# Altium PCB STM32H743II.PcbDoc (part 3 of 3)
Units mm, origin at the board's own origin, x right, y up, seen from the top; angles counter-clockwise.
Board outline 132.8 x 97.41 mm, 4 copper layers (Top Layer, GND, Power, Bottom Layer), stack 0.778 mm thick; 128 components, 206 nets, 736 pads, 989 vias.
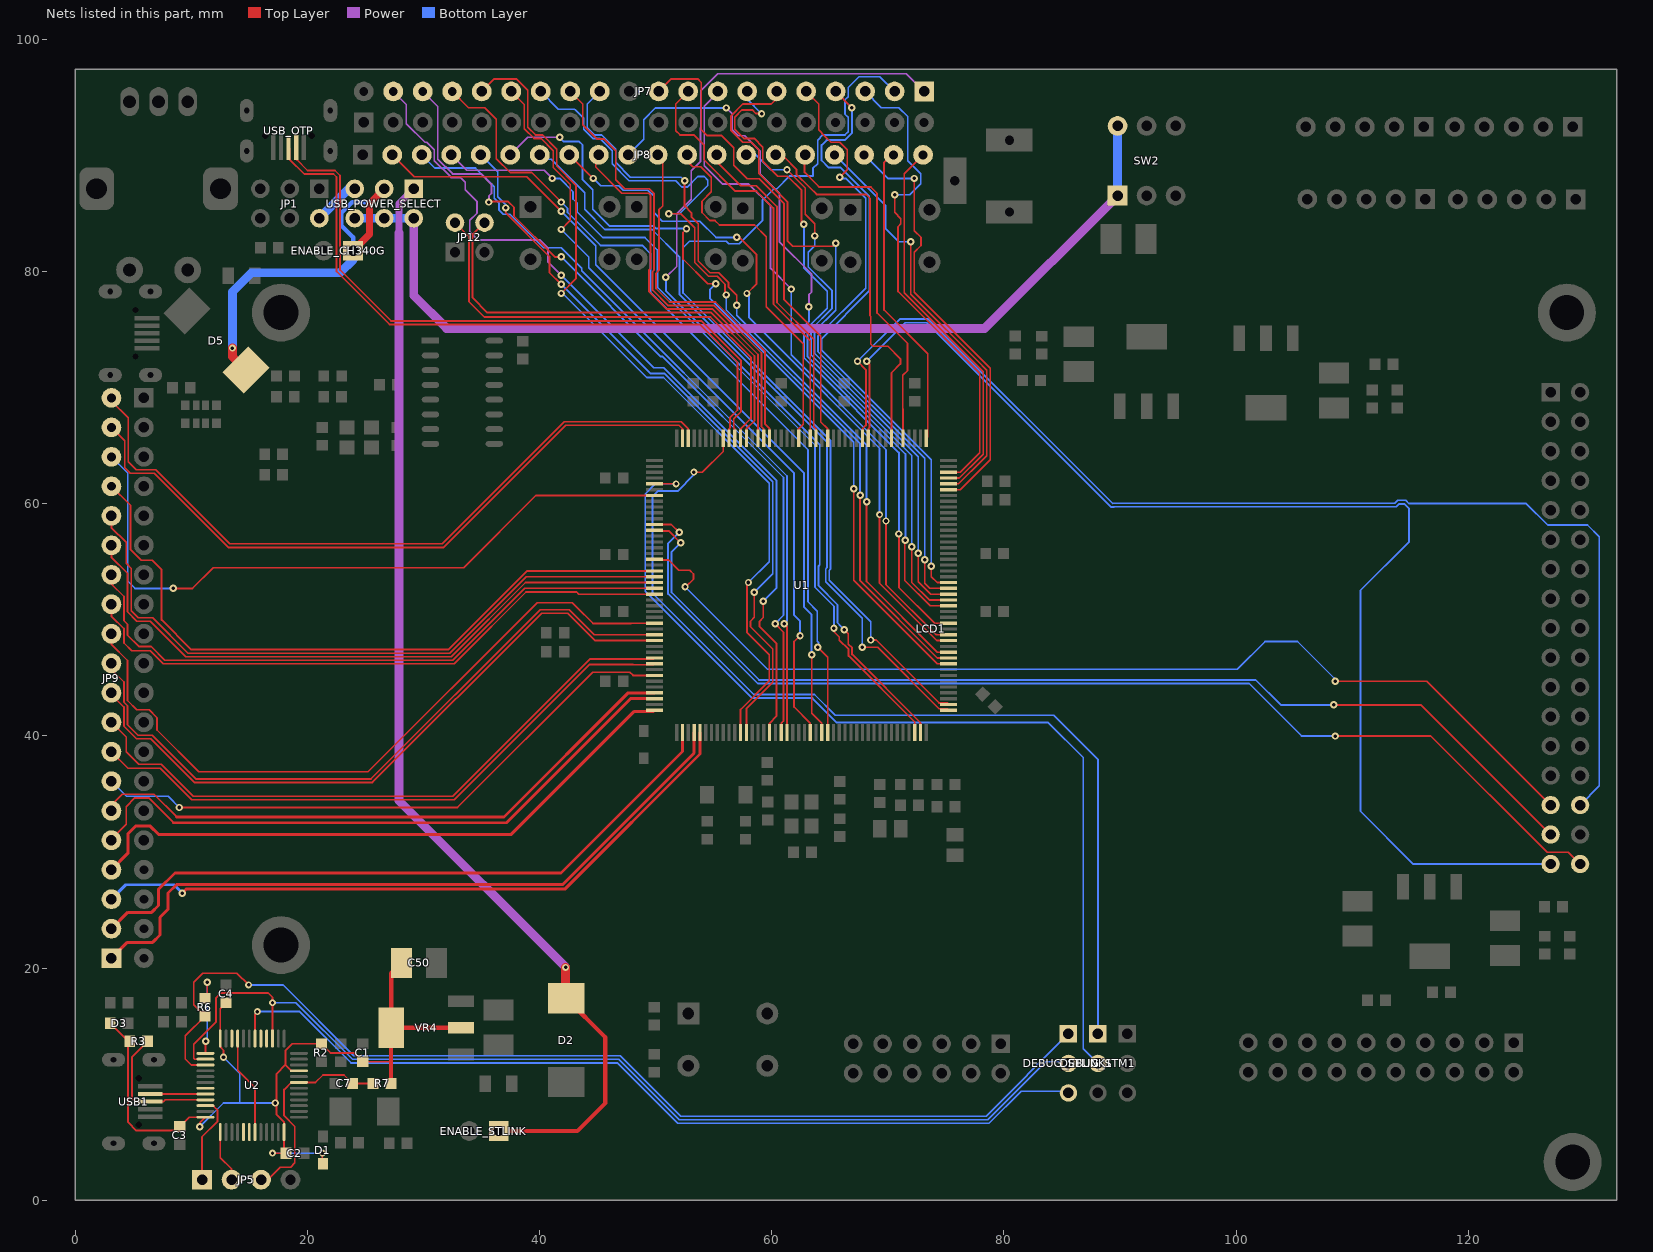
[diagram p5: the nets of this part, all layers, seen from the top]

## Via types
v1: diameter 0.6, hole 0.3, Top Layer to Bottom Layer, 798 vias
v2: diameter 0.635, hole 0.305, Top Layer to Bottom Layer, 191 vias

## Nets (pads, with @x,y where several pads share a name; then routed paths per layer and width w, separated by ;. In a path a pad name is that pad's centre, name@x,y a point inside that pad or via, vN(x,y) a via of type N, cw(c..) or ccw(c..) an arc to the next point about the centre after c; other vN are vias at no path point) (continued)
PF1: JP7.9 U1.109 | length 36.9
  Top Layer w0.152: JP7.9@52.81,95.504 51.731,94.425 51.731,92.132 52.105,91.758 53.286,91.758 54.189,90.855 54.189,90.5 54.184,90.495 54.184,89.596 56.862,86.918 58.691,86.918 60.152,85.458 60.152,77.199 63.321,74.03 U1.109@63.321,65.634
PF2: JP7.10 U1.106 | length 40.7
  Top Layer w0.152: JP7.10@50.27,95.504 51.349,96.583 53.622,96.583 53.935,96.27 53.935,92.203 54.42,91.718 55.651,91.718 56.724,90.644 56.724,89.143 57.882,87.986 58.917,87.986 61.066,85.837 61.066,77.578 64.236,74.409 64.236,67.032 64.821,66.446 U1.106@64.821,65.634
PF3: JP7.15 U1.24 | length 67.3
  Top Layer w0.152: JP7.15@37.57,95.504 38.695,94.379 38.695,92.295 39.537,91.454 40.138,91.454 41.18,90.412 41.18,88.956 42.65,87.485 42.65,84.396 v2(41.87,83.617) ; v2(62.444,48.641) 61.931,48.128 61.931,42.488 63.321,41.097 U1.24@63.321,40.284
  Bottom Layer w0.152: v2(41.87,83.617) 44.244,81.243 44.244,80.321 61.931,62.635 61.931,50.381 62.444,49.867 v2(62.444,48.641)
PF4: JP7.8 U1.58 | length 58.1
  Top Layer w0.152: v2(69.845,58.507) 69.845,53.03 74.166,48.709 U1.58@75.246,48.709
  Power w0.152: JP7.8@55.35,95.504 55.471,95.504 54.193,94.226 54.193,92.264 54.184,92.255 54.184,89.114 55.771,87.527 58.031,87.527 59.904,85.654 59.904,80.264 v2(61.682,78.486)
  Bottom Layer w0.152: v2(61.682,78.486) 61.682,72.817 69.845,64.654 v2(69.845,58.507)
PF5: JP7.12 U1.55 | length 65.6
  Top Layer w0.152: v2(52.499,87.813) 52.499,85.648 53.083,85.063 53.083,84.695 53.673,84.105 53.673,80.898 54.688,79.883 55.439,79.883 56.288,79.034 56.288,78.641 56.983,77.946 v2(56.983,77.089) ; v2(68.175,60.178) 68.175,53.296 74.262,47.209 U1.55@75.246,47.209
  Bottom Layer w0.152: JP7.12@45.19,95.504 44.111,94.425 44.111,92.39 44.743,91.758 45.344,91.758 46.564,90.538 46.564,89.393 47.836,88.122 52.19,88.122 v2(52.499,87.813) ; v2(56.983,77.089) 56.983,76.223 68.175,65.031 v2(68.175,60.178)
PF6: JP7.14 U1.54 | length 74.2
  Top Layer w0.152: v2(51.141,84.963) 52.168,84.963 53.367,83.763 53.367,80.773 54.562,79.579 55.313,79.579 55.984,78.908 55.984,78.089 v2(56.094,77.978) ; v2(67.618,60.735) 67.618,53.353 74.262,46.709 U1.54@75.246,46.709
  Bottom Layer w0.152: JP7.14@40.11,95.504 41.634,93.98 43.013,93.98 43.078,93.916 43.097,93.916 43.807,93.206 43.807,92.264 44.63,91.44 45.231,91.44 46.26,90.412 46.26,89.267 47.714,87.813 51.727,87.813 52.273,87.267 52.725,87.267 53.634,88.176 54.178,88.176 54.498,87.856 54.498,87.404 52.057,84.963 v2(51.141,84.963) ; v2(56.094,77.978) 56.094,76.681 67.618,65.157 v2(67.618,60.735)
PF7: JP7.17 U1.27 | length 72.7
  Top Layer w0.152: JP7.17@32.49,95.504 33.887,94.107 35.285,94.107 36.282,93.11 36.282,89.718 37.482,88.519 39.33,88.519 v2(41.87,85.979) ; v2(63.968,47.625) 64.821,46.772 U1.27@64.821,40.284
  Bottom Layer w0.152: v2(41.87,85.979) 42.416,85.433 42.416,85.084 45.259,82.241 48.864,82.241 49.555,81.55 49.555,78.217 63.126,64.646 63.126,51.548 63.93,50.744 63.93,48.161 64.057,48.034 64.057,47.771 63.968,47.683 v2(63.968,47.625)
PF8: JP7.18 U1.19 | length 71.8
  Top Layer w0.152: v2(35.647,85.979) 35.685,86.017 37.321,86.017 37.806,85.532 37.806,84.765 41.316,81.255 v2(41.87,81.255) ; v2(60.293,49.657) 61.017,48.933 61.017,41.292 60.821,41.097 U1.19@60.821,40.284
  Power w0.152: JP7.18@29.95,95.504 31.246,94.208 31.246,89.674 32.515,88.405 34.986,88.405 35.864,87.527 35.864,86.717 35.647,86.5 v2(35.647,85.979)
  Bottom Layer w0.152: v2(41.87,81.255) 50.456,72.669 50.603,72.669 61.017,62.256 61.017,50.381 v2(60.293,49.657)
PF9: JP7.2 U1.46 | length 79.7
  Top Layer w0.152: v2(68.54,48.26) 68.995,48.26 74.415,42.841 75.114,42.841 U1.46@75.246,42.709
  Bottom Layer w0.152: v2(68.54,48.26) 68.54,49.82 64.955,53.406 64.955,54.248 65.059,54.352 65.059,65.454 52.361,78.152 52.361,82.041 52.92,82.601 56.094,82.601 56.309,82.385 57.21,82.385 59.219,84.394 59.219,86.153 60.167,87.102 60.442,87.102 61.567,88.227 63.549,88.227 63.549,88.872 63.968,89.291 63.968,91.313 64.414,91.758 66.319,91.758 66.589,92.028 66.589,93.284 66.319,93.554 66.319,94.787 66.589,95.057 66.589,95.845 67.517,96.774 69.32,96.774 JP7.2@70.59,95.504
PF10: JP7.1 U1.43 | length 86.2
  Top Layer w0.152: v2(66.254,49.149) 66.597,48.806 66.597,47.907 66.927,47.577 66.927,47.019 72.821,41.125 U1.43@72.821,40.284
  Power w0.152: v2(50.887,79.502) 51.814,80.429 51.814,84.963 53.072,86.22 53.072,88.671 53.88,89.479 53.88,92.381 53.889,92.39 53.889,95.568 55.349,97.028 71.606,97.028 JP7.1@73.13,95.504
  Bottom Layer w0.152: v2(50.887,79.502) 50.887,78.332 64.144,65.075 64.144,54.731 64.04,54.626 64.04,52.927 65.668,51.299 65.668,49.743 65.91,49.502 65.91,49.494 v2(66.254,49.149)
PF11: JP7.19 U1.17 | length 75.1
  Top Layer w0.152: v2(59.269,51.589) 59.269,50.193 58.959,49.883 58.959,49.416 60.407,47.968 60.407,41.683 59.821,41.097 U1.17@59.821,40.284
  Power w0.152: JP7.19@27.41,95.504 28.535,94.379 28.535,92.726 30.14,91.122 30.31,91.122 30.942,90.49 30.942,89.548 32.389,88.101 33.19,88.101 33.602,87.689 33.602,87.021 34.631,85.992 34.631,85.035 33.996,84.4 33.996,83.439 34.734,82.702 40.068,82.702 40.727,82.042 40.727,80.823 v2(41.87,79.68)
  Bottom Layer w0.152: v2(41.87,79.68) 49.846,71.704 50.706,71.704 60.407,62.003 60.407,52.727 v2(59.269,51.589)
PF12: JP7.16 U1.12 | length 73.7
  Top Layer w0.152: JP7.16@35.03,95.504 36.109,96.583 38.017,96.583 39,95.599 39,92.421 39.663,91.758 40.264,91.758 41.484,90.538 41.484,89.086 43.14,87.43 43.14,79.375 v2(41.87,78.105) ; U1.12@57.321,40.284 57.321,42.269 59.797,44.745 59.797,47.003 57.867,48.933 57.867,53.081 v2(57.999,53.213)
  Bottom Layer w0.152: v2(41.87,78.105) 41.997,78.105 49.236,70.866 50.682,70.866 59.797,61.751 59.797,55.011 v2(57.999,53.213)
PF13: JP7.7 U1.63 | length 58.2
  Top Layer w0.152: v2(59.126,93.599) 58.653,93.599 58.337,93.916 57.443,93.916 56.811,93.284 56.811,92.262 57.611,91.463 58.485,91.463 59.237,90.71 59.237,89.482 60.517,88.203 61.364,88.203 62.578,86.988 62.578,84.27 v2(62.775,84.074) ; v2(71.516,56.837) 71.464,56.786 71.464,53.386 73.641,51.209 U1.63@75.246,51.209
  Bottom Layer w0.152: JP7.7@57.89,95.504 57.89,94.835 v2(59.126,93.599) ; v2(62.775,84.074) 62.775,80.314 64.795,78.293 64.795,76.846 63.079,75.13 63.079,72.713 64.222,71.57 71.516,64.277 v2(71.516,56.837)
PF14: JP7.3 U1.86 | length 42.3
  Top Layer w0.152: v2(70.59,86.614) 70.59,85.083 71.118,84.554 71.118,84.102 70.877,83.861 70.877,78.281 77.913,71.246 77.913,64.39 77.824,64.301 77.734,64.212 76.231,62.709 U1.86@75.246,62.709
  Bottom Layer w0.152: JP7.3@68.05,95.504 69.447,94.107 70.953,94.107 71.715,93.345 71.715,89.535 72.831,88.419 72.831,87.545 71.9,86.614 v2(70.59,86.614)
PF15: JP7.6 U1.65 | length 59.5
  Top Layer w0.152: JP7.6@60.43,95.504 60.43,94.887 59.969,94.425 57.522,94.425 56.507,93.41 56.507,92.136 57.521,91.122 58.25,91.122 58.882,90.49 58.882,88.452 61.371,85.963 61.371,82.607 61.809,82.169 65.256,82.169 v2(65.51,82.423) ; v2(72.629,55.724) 72.629,53.269 73.689,52.209 U1.65@75.246,52.209
  Bottom Layer w0.152: v2(65.51,82.423) 65.51,76.668 63.689,74.847 63.689,72.966 72.629,64.026 v2(72.629,55.724)
PG0: JP7.5 U1.66 | length 53.4
  Top Layer w0.152: JP7.5@62.97,95.504 64.049,94.425 64.049,92.189 64.578,91.66 64.578,91.655 65.111,91.122 65.87,91.122 66.505,90.487 66.505,88.753 v2(65.873,88.122) ; v2(73.186,55.167) 73.186,53.143 73.62,52.709 U1.66@75.246,52.709
  Bottom Layer w0.152: v2@65.873,88.011 66.381,88.011 68.104,86.289 68.104,78.557 63.994,74.447 63.994,73.092 73.186,63.9 v2(73.186,55.167)
PG1: JP7.4 U1.67 | length 54
  Top Layer w0.152: JP7.4@65.51,95.504 v2(66.908,94.107) ; v2(73.743,54.61) 73.743,53.721 74.255,53.209 U1.67@75.246,53.209
  Bottom Layer w0.152: v2(66.908,94.107) 66.908,91.915 66.305,91.313 64.73,91.313 64.299,90.881 64.299,89.559 64.911,88.946 65.954,88.946 68.413,86.487 68.413,78.328 64.299,74.213 64.299,73.218 73.743,63.774 v2(73.743,54.61)
PG2: JP7.13 U1.117 | length 40.8
  Top Layer w0.152: JP7.13@42.65,95.504 43.729,94.425 43.729,92.63 44.945,91.413 45.553,91.413 46.564,90.402 46.564,87.889 47.331,87.122 49.471,87.122 49.86,86.733 49.86,80.109 49.732,79.981 49.732,78.409 51.077,77.064 55.037,77.064 59.126,72.974 59.126,66.642 59.321,66.446 U1.117@59.321,65.634
PG3: JP8.19 U1.89 | length 26.3
  Top Layer w0.152: JP8.19@70.321,90.043 69.683,89.405 69.683,76.684 73.446,72.921 73.446,65.759 U1.89@73.321,65.634
PG4: JP8.16 U1.93 | length 30.9
  Top Layer w0.152: JP8.16@62.952,90.043 62.837,89.928 62.837,88.534 63.864,87.507 64.106,87.265 68.551,87.265 69.074,86.742 69.074,76.431 71.696,73.81 71.696,71.45 71.298,71.052 71.298,68.14 71.321,68.117 U1.93@71.321,65.634
PG5: JP8.15 U1.95 | length 32.6
  Top Layer w0.152: JP8.15@60.43,89.789 61.151,89.789 62.131,88.809 62.131,88.378 63.254,87.255 63.869,86.64 68.128,86.64 68.464,86.304 68.464,76.179 68.54,76.103 68.54,73.755 68.738,73.557 70.018,73.557 71.086,72.489 71.086,72.037 70.321,71.272 U1.95@70.321,65.634
PG6: JP8.13 U1.108 | length 28.7
  Top Layer w0.152: JP8.13@55.263,90.043 55.263,89.458 57.345,87.376 58.665,87.376 60.457,85.584 60.457,77.326 63.626,74.156 63.626,66.642 63.821,66.446 U1.108@63.821,65.634
PG7: JP8.12 U1.111 | length 31.8
  Top Layer w0.152: JP8.12@52.723,90.043 52.723,89.482 53.186,89.019 53.9,89.019 54.803,88.116 54.803,87.632 54.803,86.855 53.998,86.05 53.998,85.074 54.688,84.383 55.119,84.383 55.505,83.998 58.517,83.998 59.542,82.973 59.542,76.947 62.712,73.777 62.712,66.837 62.321,66.446 U1.111@62.321,65.634
PG8: JP8.11 U1.116 | length 31.2
  Top Layer w0.152: JP8.11@50.183,90.043 50.615,89.611 50.615,85.64 50.29,85.315 50.29,80.108 50.036,79.854 50.036,78.536 51.204,77.368 55.163,77.368 59.431,73.101 59.431,66.837 59.821,66.446 U1.116@59.821,65.634
PG9: JP8.9 U1.118 | length 34.3
  Top Layer w0.152: JP8.9@45.299,90.17 44.843,89.714 44.843,88.993 47.095,86.741 49.421,86.741 49.555,86.607 49.555,80.235 49.427,80.107 49.427,78.283 50.951,76.759 54.911,76.759 58.821,72.848 U1.118@58.821,65.634
PG10: JP8.5 U1.13 | length 63.4
  Top Layer w0.152: v2(37.095,85.471) 37.095,85.045 40.854,81.286 40.854,79.908 v2(41.87,78.892) ; U1.13@57.821,40.284 57.821,42.338 60.102,44.619 60.102,47.485 58.172,49.416 58.172,49.883 58.507,50.219 v2(58.507,52.375)
  Bottom Layer w0.152: JP8.5@34.943,90.043 36.409,88.577 36.409,86.42 37.095,85.735 v2(37.095,85.471) ; v2(41.87,78.892) 49.541,71.222 50.758,71.222 60.102,61.877 60.102,53.97 v2(58.507,52.375)
PG11: JP8.10 U1.60 | length 65.2
  Top Layer w0.152: v2(70.959,57.394) 70.959,52.778 74.028,49.709 U1.60@75.246,49.709
  Power w0.152: v2@55.967,94.208 v2(56.094,94.081) 56.602,93.573 56.602,92.202 57.11,91.694 57.686,91.694 59.015,90.364 59.015,88.376 60.666,86.725 60.666,82.55 63.429,79.787 63.429,78.201 63.206,77.978 v2(63.206,76.962)
  Bottom Layer w0.152: JP8.10@47.643,90.043 48.982,91.382 48.982,93.075 49.988,94.081 v2(56.094,94.081) ; v2(63.206,76.962) 63.206,75.688 62.775,75.257 62.775,72.587 63.714,71.647 70.959,64.403 v2(70.959,57.394)
PG12: JP8.20 U1.85 | length 33.1
  Top Layer w0.152: JP8.20@73.043,90.043 71.423,88.423 71.423,78.166 78.218,71.372 78.218,64.264 78.128,64.175 78.039,64.086 77.95,63.996 76.162,62.209 U1.85@75.246,62.209
PG13: JP8.8 U1.57 | length 62
  Top Layer w0.152: JP8.8@42.563,90.043 44.595,88.011 v2(44.63,88.011) ; v2(56.983,82.931) 57.191,82.931 58.699,81.423 58.699,78.932 v2(57.872,78.105) ; v2(69.289,59.064) 69.289,53.155 74.235,48.209 U1.57@75.246,48.209
  Bottom Layer w0.152: v2(44.63,88.011) 45.265,87.376 46.823,87.376 47.204,86.995 49.34,86.995 49.871,86.464 49.871,85.042 50.585,84.328 53.808,84.328 55.205,82.931 v2(56.983,82.931) ; v2@57.825,78.152 v2(57.872,78.105) 58.057,77.921 58.057,76.023 60.343,73.737 60.343,73.726 69.289,64.78 v2(69.289,59.064)
PG14: JP8.3 U1.20 | length 66.3
  Top Layer w0.152: v2(61.08,49.657) 61.321,49.416 U1.20@61.321,40.284
  Bottom Layer w0.152: JP8.3@29.863,90.043 31.006,88.9 34.491,88.9 36.105,87.287 36.105,86.294 36.524,85.874 36.524,85.269 36.869,84.925 37.463,84.925 40.346,82.042 41.87,82.042 43.635,80.278 43.635,80.069 61.321,62.382 61.321,49.898 v2(61.08,49.657)
PG15: JP8.14 U1.64 | length 49.8
  Top Layer w0.152: v2(61.321,88.753) 62.883,87.192 62.883,84.933 63.714,84.102 v2(63.714,83.058) ; v2(72.072,56.28) 72.072,53.208 73.572,51.709 U1.64@75.246,51.709
  Bottom Layer w0.152: JP8.14@57.803,90.043 58.634,90.043 59.924,88.753 v2(61.321,88.753) ; v2(63.714,83.058) 63.714,82.22 63.141,81.646 63.141,80.386 65.205,78.322 65.205,76.825 63.384,75.004 63.384,72.84 72.072,64.151 v2(72.072,56.28)
PH2: JP8.7 U1.45 | length 66.3
  Top Layer w0.152: v2(67.809,47.625) 69.13,47.625 74.415,42.341 75.114,42.341 U1.45@75.246,42.209
  Bottom Layer w0.152: JP8.7@40.023,89.662 41.02,89.662 43.902,86.78 43.902,85.348 45.633,83.617 49.69,83.617 52.056,81.251 52.056,78.026 64.754,65.328 64.754,54.478 64.65,54.374 64.65,53.28 67.809,50.12 v2(67.809,47.625)
PH3: JP8.4 U1.42 | length 72.7
  Top Layer w0.152: v2(65.364,49.276) 65.364,48.98 65.823,48.522 65.823,48.25 66.623,47.45 66.623,46.892 72.321,41.194 U1.42@72.321,40.284
  Power w0.152: JP8.4@32.403,90.043 33.736,88.71 40.409,88.71 v2(41.108,88.011)
  Bottom Layer w0.152: v2(41.108,88.011) 41.743,88.011 42.886,86.868 42.886,86.241 43.23,85.897 43.23,85.151 45.459,82.923 49.083,82.923 50.165,81.841 50.165,78.624 63.735,65.053 63.735,52.801 65.364,51.172 v2(65.364,49.276)
PH4: JP8.2 U1.26 | length 70.8
  Top Layer w0.152: JP8.2@27.323,90.043 29.215,88.151 38.911,88.151 v2(41.87,85.192) ; v2(63.46,46.99) 63.46,41.958 64.321,41.097 U1.26@64.321,40.284
  Bottom Layer w0.152: v2(41.87,85.192) 44.854,82.208 44.854,80.574 62.775,62.653 62.775,51.112 63.422,50.464 63.422,47.028 v2(63.46,46.99)
PH5: JP8.6 U1.53 | length 70.3
  Top Layer w0.152: v2(52.665,83.693) 52.665,83.664 52.361,83.359 52.361,81.077 54.494,78.943 v2(55.176,78.943) ; v2(67.062,61.291) 67.062,53.409 74.262,46.209 U1.53@75.246,46.209
  Power w0.152: JP8.6@37.483,90.043 38.989,91.549 v2(41.743,91.549)
  Bottom Layer w0.152: v2(41.743,91.549) 42.107,91.186 43.417,91.186 43.713,90.89 43.713,87.91 44.58,87.043 44.58,85.348 46.006,83.922 49.816,83.922 50.045,83.693 v2(52.665,83.693) ; v2(55.176,78.943) 54.697,78.464 54.697,77.647 67.062,65.283 v2(67.062,61.291)
PH6: JP8.18 U1.83 | length 37.2
  Top Layer w0.152: v2(72.285,88.011) 72.285,83.504 72.858,82.931 72.858,82.234 72.285,81.661 72.285,78.22 78.83,71.674 78.83,63.796 76.243,61.209 U1.83@75.246,61.209
  Bottom Layer w0.152: JP8.18@67.963,90.043 69.995,88.011 v2(72.285,88.011)
PH7: JP8.17 U1.84 | length 36.2
  Top Layer w0.152: v2(71.98,82.561) 71.98,78.04 78.165,71.855 78.255,71.766 78.344,71.677 78.433,71.587 78.523,71.498 78.523,64.138 78.433,64.049 78.344,63.959 78.255,63.87 78.165,63.781 76.094,61.709 U1.84@75.246,61.709
  Bottom Layer w0.152: JP8.17@65.423,90.043 69.81,85.656 69.81,83.693 70.942,82.561 v2(71.98,82.561)
PH8: JP9.10 U1.164 | length 57.7
  Top Layer w0.152: JP9.10@3.262,43.434 4.217,42.48 4.217,40.829 5.294,39.751 6.524,39.751 10.283,35.992 25.615,35.992 40.096,50.473 40.185,50.562 42.443,50.562 42.532,50.473 44.796,48.209 U1.164@49.897,48.209
PH9: JP9.17 U1.152 | length 60.2
  Top Layer w0.152: JP9.17@3.135,61.495 4.786,59.844 4.786,56.033 5.701,55.118 6.653,55.118 7.453,54.317 7.453,49.992 10.013,47.433 32.157,47.433 38.933,54.209 U1.152@49.897,54.209
PH10: JP9.8 U1.168 | length 53.3
  Top Layer w0.152: JP9.8@3.135,38.635 4.559,37.211 7.327,37.211 10.045,34.493 32.66,34.493 44.305,46.139 48.067,46.139 48.073,46.133 49.821,46.133 U1.168@49.897,46.209
PH11: JP9.19 U1.131 | length 60.1
  Top Layer w0.152: JP9.19@3.135,66.575 4.278,65.432 4.278,63.105 4.773,62.611 6.822,62.611 13.198,56.236 31.762,56.236 42.277,66.751 52.017,66.751 52.321,66.446 U1.131@52.321,65.634
PH12: JP9.20 U1.130 | length 62.4
  Top Layer w0.152: JP9.20@3.135,68.842 4.584,67.394 4.584,63.616 5.282,62.917 6.947,62.917 13.324,56.54 31.636,56.54 42.151,67.056 52.212,67.056 52.821,66.446 U1.130@52.821,65.634
PH13: JP9.18 U1.139 | length 60.2
  Top Layer w0.152: v2(8.469,52.705) 10.12,52.705 11.901,54.486 33.483,54.486 39.706,60.709 U1.139@49.897,60.709
  Bottom Layer w0.152: JP9.18@3.135,64.035 4.532,62.638 4.532,53.34 5.167,52.705 v2(8.469,52.705)
PH14: JP9.16 U1.153 | length 58.2
  Top Layer w0.152: JP9.16@3.135,58.955 3.135,57.94 4.405,56.67 4.405,54.864 4.851,54.419 4.851,50.786 5.458,50.178 6.678,50.178 9.728,47.128 32.283,47.128 32.372,47.217 38.864,53.709 U1.153@49.897,53.709
PH15: JP9.15 U1.154 | length 55.9
  Top Layer w0.152: JP9.15@3.135,56.415 3.135,55.4 4.519,54.017 4.519,50.687 5.332,49.874 6.475,49.874 9.525,46.823 32.409,46.823 32.498,46.912 32.588,47.002 38.795,53.209 U1.154@49.897,53.209
PI0: JP9.13 U1.156 | length 52.8
  Top Layer w0.152: JP9.13@3.135,51.335 3.135,50.32 4.214,49.242 4.214,48.005 4.885,47.334 6.475,47.334 7.595,46.213 32.662,46.213 32.751,46.303 32.84,46.392 32.93,46.481 33.019,46.571 38.839,52.391 43.2,52.391 43.382,52.209 U1.156@49.897,52.209
PI1: JP9.11 U1.163 | length 60.1
  Top Layer w0.152: JP9.11@3.135,46.255 3.135,45.72 4.217,44.639 4.217,42.911 4.522,42.606 4.522,40.96 5.424,40.058 6.653,40.058 10.414,36.297 25.489,36.297 39.881,50.688 39.97,50.778 40.059,50.867 42.569,50.867 42.658,50.778 42.748,50.688 44.727,48.709 U1.163@49.897,48.709
PI2: JP9.14 U1.155 | length 54.6
  Top Layer w0.152: JP9.14@3.135,53.875 3.135,53.086 4.214,52.007 4.214,49.911 4.519,49.606 4.519,48.68 5.49,47.709 6.542,47.709 7.733,46.518 32.535,46.518 32.625,46.608 32.714,46.697 32.803,46.786 38.726,52.709 U1.155@49.897,52.709
PI3: JP9.12 U1.161 | length 61.6
  Top Layer w0.152: JP9.12@3.135,48.795 3.135,47.879 4.522,46.492 4.522,43.045 5.313,42.254 6.376,42.254 7.063,41.567 7.063,40.51 10.667,36.906 25.236,36.906 39.45,51.119 39.539,51.209 39.628,51.298 39.717,51.387 39.807,51.477 42.822,51.477 42.911,51.387 43,51.298 43.09,51.209 43.179,51.119 44.613,49.686 47.898,49.686 47.922,49.709 U1.161@49.897,49.709
PI4: JP9.6 U1.173 | length 52.9
  Top Layer w0.152: JP9.6@3.135,34.036 4.065,34.966 6.805,34.966 8.75,33.02
  Top Layer w0.254: JP9.6@3.135,33.555 JP9.6@3.135,34.036 ; 8.75,33.02 36.955,33.02 47.644,43.709 U1.173@49.897,43.709
PI5: JP9.5 U1.174 | length 54.3
  Top Layer w0.152: JP9.5@3.262,31.242 4.405,32.385 4.405,33.909 5.157,34.661 6.349,34.661 8.49,32.52
  Top Layer w0.254: 8.49,32.52 37.162,32.52 47.851,43.209 U1.174@49.897,43.209
PI6: JP9.9 U1.167 | length 55.1
  Top Layer w0.152: JP9.9@3.135,41.175 4.405,39.905 4.405,38.634 5.483,37.556 7.413,37.556 10.171,34.798 32.533,34.798 44.368,46.633 49.821,46.633 U1.167@49.897,46.709
PI7: JP9.4 U1.176 | length 54
  Top Layer w0.254: JP9.4@3.135,28.475 4.546,29.886 4.546,31.561 5.209,32.224 6.48,32.224 7.184,31.52 37.576,31.52 48.17,42.113 49.801,42.113 U1.176@49.897,42.209
PI8: JP9.1 U1.4 | length 61
  Top Layer w0.254: JP9.1@3.135,20.855 4.505,22.225 6.691,22.225 7.326,22.86 7.326,24.378 8.012,25.063 8.012,26.46 8.754,27.202 42.013,27.202 53.321,38.511 U1.4@53.321,40.284
PI9: JP9.7 U1.170 | length 52.6
  Top Layer w0.152: v2(8.977,33.833) 32.933,33.833 44.579,45.478 47.793,45.478 48.062,45.209 U1.170@49.897,45.209
  Bottom Layer w0.152: JP9.7@3.135,36.095 4.432,34.798 8.012,34.798 v2(8.977,33.833)
PI10: JP9.3 U1.5 | length 58.3
  Top Layer w0.254: v2(9.231,26.46) 9.567,26.796 42.181,26.796 53.821,38.436 U1.5@53.821,40.284
  Bottom Layer w0.254: JP9.3@3.135,25.935 4.378,27.178 8.514,27.178 v2(9.231,26.46)
PI11: JP9.2 U1.2 | length 58
  Top Layer w0.254: JP9.2@3.135,23.395 4.546,24.806 6.605,24.806 7.199,25.4 7.199,26.797 8.604,28.202 41.863,28.202 52.321,38.66 U1.2@52.321,40.284
RXD_CH340: JP12.4 U1.120 | length 40.7
  Top Layer w0.152: JP12.4@35.266,84.213 34.212,83.159 34.238,83.133 34.238,77.737 35.52,76.454 54.784,76.454 58.517,72.722 58.517,67.142 57.821,66.446 U1.120@57.821,65.634
STM_NRST: C7.2 JP5.3 R7.1 U2.7 | length 18
  Top Layer w0.152: JP5.3@16.02,1.778 16.597,1.778 17.677,2.857 18.566,2.857 18.933,3.225 18.933,6.355 18.007,7.281 18.007,9.54 U2.7@18.617,10.15 ; U2.7@19.282,10.156 20.715,10.156 21.354,10.795 23.17,10.795 C7.2@23.902,10.063 R7.1@25.672,10.063
STM_SWCLK: JP5.2 U2.37 | length 4.5
  Top Layer w0.152: U2.37@12.507,5.881 12.507,3.683 13.48,2.71 JP5.2@13.48,1.778
STM_SWDIO: JP5.1 U2.34 | length 7
  Top Layer w0.152: JP5.1@10.94,1.778 10.94,5.464 12.279,6.803 12.279,7.761 U2.34@11.962,8.079
SWCLK: DEBUG_STM1.2 U1.137 | length 83.8
  Top Layer w0.152: U1.137@49.897,61.709 v1(51.776,61.709)
  Bottom Layer w0.152: v1(51.776,61.709) 49.985,61.709 49.109,60.833 49.109,52.471 58.324,43.256 63.511,43.256 65.619,41.148 83.818,41.148 86.828,38.138 86.828,13.061 DEBUG_STM1.2@88.098,11.791
SWDIO: DEBUG_STM1.1 U1.124 | length 85.2
  Top Layer w0.152: v1(53.3,62.709) 54.033,62.709 55.821,64.497 U1.124@55.821,65.634
  Bottom Layer w0.152: v1(53.3,62.709) 53.3,62.485 51.902,61.087 50.197,61.087 49.744,60.634 49.744,52.267 58.451,43.561 63.685,43.561 65.463,41.783 84.288,41.783 88.098,37.973 DEBUG_STM1.1@88.098,14.331
SWIM: U2.22
SWIM_IN: U2.21 U2.43 | length 8.7
  Top Layer w0.152: U2.21@14.007,13.931 14.007,11.21 15.507,9.71 U2.43@15.507,5.881
SWIM_RST: U2.42
SWIM_RST_IN: U2.41
T_CLK: LCD1.34 U1.144 | length 96.3
  Top Layer w0.152: U1.144@49.897,58.209 51.352,58.209 v2(52.03,57.531) ; v2(108.529,39.989) 116.773,39.989 126.785,29.976 128.611,29.976 LCD1.34@129.627,28.96
  Bottom Layer w0.152: v2(52.03,57.531) 51.078,56.578 51.078,52.227 58.791,44.514 101.116,44.514 105.641,39.989 v2(108.529,39.989)
T_CS: LCD1.33 U1.99 | length 107.8
  Top Layer w0.152: v2(68.178,72.263) 68.419,72.022 68.419,66.544 68.321,66.446 U1.99@68.321,65.634
  Bottom Layer w0.152: v2(68.178,72.263) 71.505,75.59 73.364,75.59 89.252,59.703 89.482,59.703 89.52,59.741 113.793,59.741 114.034,59.982 114.487,59.982 114.895,59.573 114.895,56.71 110.704,52.519 110.704,33.528 115.272,28.96 LCD1.33@127.087,28.96
T_JTCK: DEBUG_STLINK1.2 U2.15 U2.26 | length 90.6
  Top Layer w0.152: U2.26@11.232,12.156 10.297,12.156 10.228,12.225 10.228,13.453 12.152,15.377 12.152,17.434 12.575,17.856 16.648,17.856 17.007,17.497 v1(17.007,17.018) U2.15@17.007,13.931
  Bottom Layer w0.152: v1(17.007,17.018) 19.017,17.018 23.894,12.141 46.824,12.141 52.031,6.934 78.593,6.934 83.596,11.938 85.411,11.938 DEBUG_STLINK1.2@85.558,11.791
T_JTDI: U2.17
T_JTDO: U2.16
T_JTMS: DEBUG_STLINK1.1 R6.1 U2.27 | length 93.3
  Top Layer w0.152: U2.27@11.232,11.656 10.021,11.656 9.502,12.176 9.502,14.167 R6.1@11.194,15.859 10.221,16.832 10.221,18.769 11.009,19.558 13.938,19.558 v1(14.946,18.55)
  Bottom Layer w0.152: v1(14.946,18.55) 17.916,18.55 24.02,12.446 46.95,12.446 52.157,7.239 78.466,7.239 DEBUG_STLINK1.1@85.558,14.331
T_MISO: LCD1.29 U1.150 | length 89.5
  Top Layer w0.152: U1.150@49.897,55.209 49.95,55.156 51.114,55.156 52.003,54.267 52.949,54.267 53.269,53.947 53.269,53.495 52.606,52.832 v2(52.538,52.832) ; v2(108.529,44.704) 116.423,44.704 LCD1.29@127.087,34.04
  Bottom Layer w0.152: v2(52.538,52.832) 59.638,45.733 100.099,45.733 102.499,48.133 105.287,48.133 v2@108.478,44.942
T_MOSI: LCD1.30 U1.100 | length 104.2
  Top Layer w0.152: v2(67.39,72.263) 68.114,71.539 68.114,66.739 67.821,66.446 U1.100@67.821,65.634
  Bottom Layer w0.152: v2(67.39,72.263) 71.022,75.895 73.49,75.895 89.367,60.019 89.394,60.046 113.667,60.046 113.908,60.287 114.613,60.287 114.892,60.008 124.992,60.008 126.833,58.166 130.262,58.166 131.278,57.15 131.278,35.691 LCD1.30@129.627,34.04
T_NRST: DEBUG_STLINK1.3 U2.18 | length 77.5
  Top Layer w0.152: U2.18@15.507,13.931 15.507,16.055 v1(15.708,16.256)
  Bottom Layer w0.152: v1(15.708,16.256) 19.348,16.256 23.767,11.836 46.698,11.836 51.905,6.629 78.719,6.629 81.487,9.398 85.411,9.398 DEBUG_STLINK1.3@85.558,9.251
T_PEN: LCD1.31 U1.145 | length 91.7
  Top Layer w0.152: U1.145@49.897,57.709 49.948,57.658 51.131,57.658 52.147,56.642 v2(52.157,56.642) ; v2(108.418,42.672) 115.915,42.672 LCD1.31@127.087,31.5
  Bottom Layer w0.152: v2(52.157,56.642) 51.383,55.867 51.383,52.353 58.918,44.818 101.7,44.818 103.846,42.672 v2(108.418,42.672)
T_SWDIO_IN: R6.2 U2.25 | length 7.7
  Top Layer w0.152: R6.2@11.194,17.399 11.39,17.595 v2(11.39,18.796) ; U2.25@11.232,12.656 11.232,13.685 v2(11.249,13.702)
  Bottom Layer w0.152: v2(11.249,13.702) 11.39,13.843 v2(11.39,18.796)
T_SWO: U2.31
TXD_CH340: JP12.2 U1.121 | length 40.9
  Top Layer w0.152: JP12.2@32.726,84.213 33.933,83.006 33.933,77.406 35.266,76.073 54.734,76.073 58.212,72.596 58.212,67.337 57.321,66.446 U1.121@57.321,65.634
USB_N: U2.32 USB1.2 | length 4.8
  Top Layer w0.152: USB1.2@6.48,9.159 7.631,9.159 7.634,9.156 U2.32@11.232,9.156
USB_OTG_N: U1.122 USB_OTP.2 | length 58.3
  Top Layer w0.152: USB_OTP.2@19.038,90.693 19.114,90.617 19.114,89.609 20.026,88.697 22.388,88.697 22.82,88.264 22.82,80.134 27.212,75.743 53.935,75.743 57.364,72.313 57.364,67.943 56.724,67.302 56.724,66.544 56.821,66.446 U1.122@56.821,65.634
USB_OTG_P: U1.123 USB_OTP.3 | length 58.5
  Top Layer w0.152: USB_OTP.3@18.388,90.693 18.464,90.617 18.464,89.678 19.75,88.392 22.262,88.392 22.516,88.138 22.516,80.008 27.086,75.438 53.808,75.438 57.06,72.187 57.06,68.069 56.419,67.428 56.419,66.544 56.321,66.446 U1.123@56.321,65.634
USB_P: R3.1 U2.33 USB1.3 | length 12
  Top Layer w0.152: R3.1@6.249,13.702 4.913,12.366 4.913,8.763 5.167,8.509 USB1.3@6.48,8.509 7.631,8.509 7.778,8.656 U2.33@11.232,8.656
VDD: C1.2 C2.2 C3.2 C4.2 C50.1 D1.1 D3.A R2.2 R3.2 R7.2 U2.9 U2.24 U2.36 U2.48 VR4.2 | length 78
  Top Layer w0.152: D3.A@3.034,15.24 4.572,13.702 4.572,6.715 5.281,6.005 8.682,6.005 C3.2@9.035,6.358 9.833,7.156 U2.36@11.232,7.156 10.755,6.679 v2(10.755,6.35) ; v2(12.787,12.319) 12.787,12.932 12.507,13.212 U2.24@12.507,13.931 12.507,16.51 C4.2@13.007,17.01 ; v1(17.007,4.064) 17.843,4.064 18.007,4.228 U2.48@18.007,5.881 18.007,6.738 17.359,7.386 17.359,10.905 18.121,11.667 ; 18.361,13.135 18.121,12.895 18.121,11.667 ; 18.361,13.136 18.703,13.478 R2.2@21.227,13.478 22.005,12.7 24.021,12.7 C1.2@24.783,11.938 27.085,11.938 27.212,11.811 ; U2.9@19.282,11.156 18.632,11.156 18.121,11.667 ; v1(21.296,4.064) 21.296,3.196 D1.1@21.354,3.138
  Top Layer w0.381: R7.2@27.212,10.063 27.212,11.811 27.212,14.827 VR4.2@27.244,14.859 ; C50.1@28.133,20.447 27.244,19.558 VR4.2@27.244,14.859 ; VR4.2@33.244,14.859 VR4.2@27.244,14.859
  Bottom Layer w0.152: v2(10.755,6.35) 12.787,8.382 14.184,8.382 ; v2(12.787,12.319) 14.184,10.922 14.184,8.382 ; v1(17.007,4.064) v1(21.296,4.064) ; v2@17.105,8.382 14.184,8.382
  other v2: 17.232,8.382
VIN: SW2.1 SW2.6 USB_POWER_SELECT.2 USB_POWER_SELECT.4 USB_POWER_SELECT.6 | length 84.3
  Power w0.762: USB_POWER_SELECT.2@29.17,84.582 29.17,77.932 32.004,75.098 78.352,75.098 SW2.1@89.789,86.535
  Bottom Layer w0.762: USB_POWER_SELECT.6@24.09,84.582 USB_POWER_SELECT.2@29.17,84.582 ; SW2.1@89.789,86.535 SW2.6@89.789,92.535
VIN_CH340G: D5.2 ENABLE_CH340G.1 USB_POWER_SELECT.3 | length 34.2
  Top Layer w0.635: ENABLE_CH340G.1@23.946,81.788 25.36,83.203 25.36,85.852 USB_POWER_SELECT.3@26.63,87.122
  Top Layer w0.762: v1(13.549,73.406) 13.549,72.674 D5.2@14.727,71.495
  Bottom Layer w0.381: ENABLE_CH340G.1@23.946,81.788 23.946,82.948 22.947,83.947 22.947,85.055 23.871,85.979 25.487,85.979 USB_POWER_SELECT.3@26.63,87.122
  Bottom Layer w0.762: v1(13.549,73.406) 13.549,78.232 15.2,79.883 22.82,79.883 23.946,81.009 ENABLE_CH340G.1@23.946,81.788
VIN_STLINK: D2.2 ENABLE_STLINK.1 USB_POWER_SELECT.1 | length 96.8
  Top Layer w0.381: ENABLE_STLINK.1@36.492,5.969 43.267,5.969 45.68,8.382 45.68,14.028 D2.2@42.309,17.399
  Top Layer w0.762: v1(42.251,20.066) 42.251,17.457 D2.2@42.309,17.399
  Power w0.635: 27.9,83.312 27.9,85.852 USB_POWER_SELECT.1@29.17,87.122
  Power w0.762: 27.9,83.312 27.9,34.417 v1(42.251,20.066)
VIN_USBOTG: JP1.2 USB_POWER_SELECT.5 | length 4.1
  Bottom Layer w0.762: JP1.2@21.042,84.582 23.582,87.122 USB_POWER_SELECT.5@24.09,87.122
pads on no net: IC1.9 IC1.10 IC1.11 IC1.12 IC1.13 IC1.14 IC1.15 JP1.5 JP10.3 JP10.5 JP10.11 JP10.13 JP10.17 JP10.19 LCD1.0 LCD1.32 Rp1.4 SW1.0 U2.2 U2.3 U2.4 U2.11 U2.12 U2.13 U2.14 U2.19 U2.28 U2.29 U2.38 U2.39 U2.40 U2.45 U2.46 USB1.0 USB1.4 USB2.0 USB2.4 USB_OTP.0
copper on no net:
  other v2: 68.307,43.18

## Polygon pours and split planes (outlines as drawn)
GND on Bottom Layer "Bottom Layer-GND" (solid, pour order 2): 0,0 132.842,0 132.842,97.409 0,97.409
GND on Top Layer "Top Layer-GND" (solid, pour order 0): 0,0 0,97.409 132.842,97.409 132.842,0
GND on GND (split plane): 132.292,0.51 0.51,0.51 0.51,96.899 132.292,96.899

## Keep-outs
Keep-Out Layer:
  the board outline again, w0.254

## Silkscreen, mask and mechanical layers (free items; w line width, h text height)
Top Overlay:
  lines w0.254: 18.923,83.312 18.923,80.391 22.606,76.708 24.511,76.708 24.511,74.921 ; 20.551,74.921 29.06,74.921 ; 28.538,83.312 28.538,81.444 31.496,78.486 41.783,78.486 ; 84.328,7.493 89.408,7.493 86.487,7.493 84.836,5.842 ; 86.868,7.112 91.948,7.112 ; 87.63,88.773 87.63,90.297 ; 90.424,7.112 90.551,7.112 92.329,5.334 ; 98.171,87.884 101.6,87.884 ; 98.171,91.821 101.6,91.821 ; 99.187,87.884 99.187,89.154 100.711,89.154 100.711,87.884 ; 99.187,91.821 99.187,92.202 100.711,92.202 100.711,91.821
  text "USB" at 10.541,95.377 h1.52
  text "USB" at 97.917,93.091 h1.52
  text "enco" at 31.103,91.665 h0.6 r90
  text "enco" at 48.768,91.567 h0.6 r90
  text "enco" at 43.815,91.538 h0.6 r90
  text "enco" at 56.642,91.538 h0.6 r90
  text "GND" at 115.57,89.154 h1.52
  text "32_T" at 32.893,85.598 h0.8 r90
  text "32_R" at 35.56,85.471 h0.8 r90
  text "DC" at 98.806,85.344 h1.52
  text "5V" at 109.093,81.915 h1.52
  text "3.3V" at 121.666,81.915 h1.52
  text "340" at 0.635,78.994 h0.8
  text "CH340 EN" at 22.069,78.994 h0.8
  text "USB POWER IN" at 32.197,78.74 h0.8
  text "USB" at 23.368,76.962 h0.8
  text "OTG" at 33.528,75.819 h0.8 r90
  text "HOST" at 20.828,75.37 h0.8
  text "SLAVE" at 25.273,75.37 h0.8
  text "CH340" at 37.084,74.218 h0.8 r90
  text "ST-LINK" at 41.529,72.771 h0.8 r90
  text "H12" at 0.889,69.85 h0.6 r270
  text "G" at 7.717,68.615 h0.6 r270
  text "H11" at 0.889,67.31 h0.6 r270
  text "A3" at 7.493,66.421 h0.6 r270
  text "H13" at 0.889,64.77 h0.6 r270
  text "A6" at 7.717,64.643 h0.6 r270
  text "enco" at 7.464,62.992 h0.6
  text "H9" at 0.889,62.23 h0.6 r270
  text "B12" at 7.717,62.103 h0.6 r270
  text "H14" at 0.889,59.69 h0.6 r270
  text "B13" at 7.717,59.563 h0.6 r270
  text "H15" at 0.889,57.15 h0.6 r270
  text "B2" at 7.717,57.023 h0.6 r270
  text "I2" at 0.889,54.61 h0.6 r270
  text "A15" at 7.717,54.483 h0.6 r270
  text "enco" at 8.861,53.086 h0.6
  text "I0" at 0.889,52.07 h0.6 r270
  text "B1" at 7.717,51.943 h0.6 r270
  text "I3" at 0.889,49.53 h0.6 r270
  text "B11" at 7.717,49.403 h0.6 r270
  text "I1" at 0.889,46.99 h0.6 r270
  text "B3" at 7.717,46.863 h0.6 r270
  text "H8" at 0.889,44.45 h0.6 r270
  text "B10" at 7.717,44.323 h0.6 r270
  text "I6" at 0.889,41.91 h0.6 r270
  text "B0" at 7.717,41.148 h0.6 r270
  text "H10" at 0.889,39.37 h0.6 r270
  text "B4" at 7.62,38.989 h0.6 r270
  text "I9" at 0.889,36.83 h0.6 r270
  text "B6" at 7.717,36.703 h0.6 r270
  text "I4" at 0.889,34.29 h0.6 r270
  text "B8" at 7.717,34.163 h0.6 r270
  text "I5" at 0.889,31.75 h0.6 r270
  text "B5" at 7.717,31.623 h0.6 r270
  text "I7" at 0.889,29.21 h0.6 r270
  text "B7" at 7.717,29.083 h0.6 r270
  text "I10" at 0.889,26.67 h0.6 r270
  text "A7" at 7.717,26.543 h0.6 r270
  text "enco" at 7.493,25.019 h0.6
  text "I11" at 0.889,24.13 h0.6 r270
  text "A2" at 7.717,24.003 h0.6 r270
  text "I8" at 0.889,21.59 h0.6 r270
  text "B9" at 7.717,20.701 h0.6 r270
  text "STLINK" at 82.743,4.572 h0.8
  text "EXT" at 90.49,4.191 h0.8
  text "ST-LINK" at 1.016,1.651 h1.2

## Text inside footprints (layer, text, board x,y; h text height)
JP1: Top Overlay "1" at 21.59,87.63 h1.02 r180; Top Overlay "2" at 21.463,85.09 h1.02 r180; Top Overlay "5" at 16.002,87.376 h1.02 r180; Top Overlay "6" at 15.97,85.344 h1.02 r180
JP10: Top Overlay "2" at 130.516,11.557 h1.02 r180; Top Overlay "1" at 130.262,14.097 h1.02 r180; Top Overlay "20" at 95.668,11.76 h1.02 r180; Top Overlay "19" at 95.668,14.3 h1.02 r180
JP11: Top Overlay "12" at 65.238,11.446 h1.02 r180; Top Overlay "1" at 64.222,13.986 h1.02 r180; Top Overlay "1" at 65.238,13.986 h1.02 r180; Top Overlay "1" at 81.748,13.986 h1.02 r180; Top Overlay "2" at 82.002,11.446 h1.02 r180
JP12: Top Overlay "1" at 30.44,81.165 h1.02; Top Overlay "2" at 30.186,83.705 h1.02; Top Overlay "4" at 36.79,83.705 h1.02; Top Overlay "3" at 36.79,81.165 h1.02
LCD1: Top Overlay "BL" at 124.801,42.041 h0.71 r270; Top Overlay "MISO" at 124.801,35.31 h0.71 r270; Top Overlay "TCS" at 124.801,29.849 h0.71 r270; Top Overlay "MO" at 131.187,31.95 h0.71 r270; Top Overlay "MOSI" at 131.187,35.2 h0.71 r270; Top Overlay "CLK" at 131.187,29.95 h0.71 r270; Top Overlay "PEN" at 124.801,32.389 h0.71 r270; Top Overlay "D11" at 124.801,50.042 h0.71 r270; Top Overlay "GND" at 124.801,37.596 h0.71 r270; Top Overlay "GND" at 131.187,45.075 h0.71 r270; Top Overlay "RD" at 131.187,67.575 h0.71 r270; Top Overlay "D0" at 131.187,64.95 h0.71 r270; Top Overlay "D10" at 131.187,52.7 h0.71 r270; Top Overlay "VDD" at 131.187,42.575 h0.71 r270; Top Overlay "GND" at 131.187,40.075 h0.71 r270; Top Overlay "V5" at 131.187,37.45 h0.71 r270; Top Overlay "VDD" at 124.801,40.009 h0.71 r270; Top Overlay "D15" at 124.801,44.962 h0.71 r270; Top Overlay "D12" at 131.187,50.075 h0.71 r270; Top Overlay "D13" at 124.687,47.575 h0.71 r270; Top Overlay "D9" at 124.801,52.455 h0.71 r270; Top Overlay "D8" at 131.187,55.2 h0.71 r270; Top Overlay "D6" at 131.187,57.325 h0.71 r270; Top Overlay "D5" at 124.801,57.408 h0.71 r270; Top Overlay "D4" at 131.187,59.95 h0.71 r270; Top Overlay "D3" at 124.801,59.948 h0.71 r270; Top Overlay "D2" at 131.187,62.45 h0.71 r270; Top Overlay "D1" at 124.801,62.361 h0.71 r270; Top Overlay "RST" at 124.801,65.409 h0.71 r270; Top Overlay "WR" at 124.801,67.568 h0.71 r270; Top Overlay "CS" at 124.801,70.108 h0.71 r270; Top Overlay "RS" at 131.187,70.075 h0.71 r270; Top Overlay "D7" at 124.801,54.995 h0.71 r270; Top Overlay "D14" at 131.187,47.575 h0.71 r270; Bottom Overlay "CLK" at 125.436,29.976 h0.89 r90; Bottom Overlay "TCS" at 123.531,29.976 h0.89 r90; Bottom Overlay "NC" at 125.436,32.135 h0.89 r90; Bottom Overlay "PEN" at 123.531,32.77 h0.89 r90; Bottom Overlay "MO" at 125.436,34.675 h0.89 r90; Bottom Overlay "MI" at 123.531,34.548 h0.89 r90; Bottom Overlay "V5" at 125.436,36.961 h0.89 r90; Bottom Overlay "GND" at 123.531,37.723 h0.89 r90; Bottom Overlay "GND" at 125.436,39.755 h0.89 r90; Bottom Overlay "VDD" at 123.531,40.39 h0.89 r90; Bottom Overlay "VDD" at 125.436,42.422 h0.89 r90; Bottom Overlay "BL" at 123.531,42.295 h0.89 r90; Bottom Overlay "GND" at 125.436,45.089 h0.89 r90; Bottom Overlay "D15" at 123.531,45.089 h0.89 r90; Bottom Overlay "D14" at 125.436,47.629 h0.89 r90; Bottom Overlay "D13" at 123.531,47.756 h0.89 r90; Bottom Overlay "D12" at 125.436,50.296 h0.89 r90; Bottom Overlay "D11" at 123.531,50.296 h0.89 r90; Bottom Overlay "D10" at 125.436,52.963 h0.89 r90; Bottom Overlay "D9" at 123.531,52.582 h0.89 r90; Bottom Overlay "D8" at 125.436,54.995 h0.89 r90; Bottom Overlay "D7" at 123.531,54.995 h0.89 r90; Bottom Overlay "D6" at 125.436,57.408 h0.89 r90; Bottom Overlay "D5" at 123.531,57.408 h0.89 r90; Bottom Overlay "D4" at 125.436,60.075 h0.89 r90; Bottom Overlay "D3" at 123.531,60.075 h0.89 r90; Bottom Overlay "D2" at 125.436,62.615 h0.89 r90; Bottom Overlay "D1" at 123.531,62.488 h0.89 r90; Bottom Overlay "RST" at 123.531,65.536 h0.89 r90; Bottom Overlay "D0" at 125.436,65.155 h0.89 r90; Bottom Overlay "WR" at 123.531,67.695 h0.89 r90; Bottom Overlay "RD" at 125.436,67.695 h0.89 r90; Bottom Overlay "RS" at 125.436,70.362 h0.89 r90; Bottom Overlay "CS" at 123.531,70.489 h0.89 r90
U1: Top Overlay "TOL" at 62.571,52.959 h1.27 r90; Top Overlay "VAL" at 62.571,52.959 h1.27 r90; Top Overlay "DEV" at 62.571,52.959 h1.27 r90; Top Overlay "PN" at 62.571,52.959 h1.27 r90; Top Overlay "*" at 51.19,38.913 h1.27 r90; Mechanical 13 "RefDes2" at 62.571,52.959 h1.27 r90; Mechanical 13 "*" at 51.571,41.288 h1.27 r90
USB_POWER_SELECT: Top Overlay "6" at 24.003,84.963 h1.02 r180; Top Overlay "5" at 24.003,87.63 h1.02 r180; Top Overlay "2" at 29.845,84.963 h1.02 r180; Top Overlay "1" at 29.718,87.63 h1.02 r180